# Altium PCB wikidunio-rda5981.PcbDoc
Units mil, origin at the board's own origin, x right, y up, seen from the top; angles counter-clockwise.
Board outline 2700 x 2100 mil, 2 copper layers (Top Layer, Bottom Layer); 42 components, 0 nets, 141 pads, 0 vias.
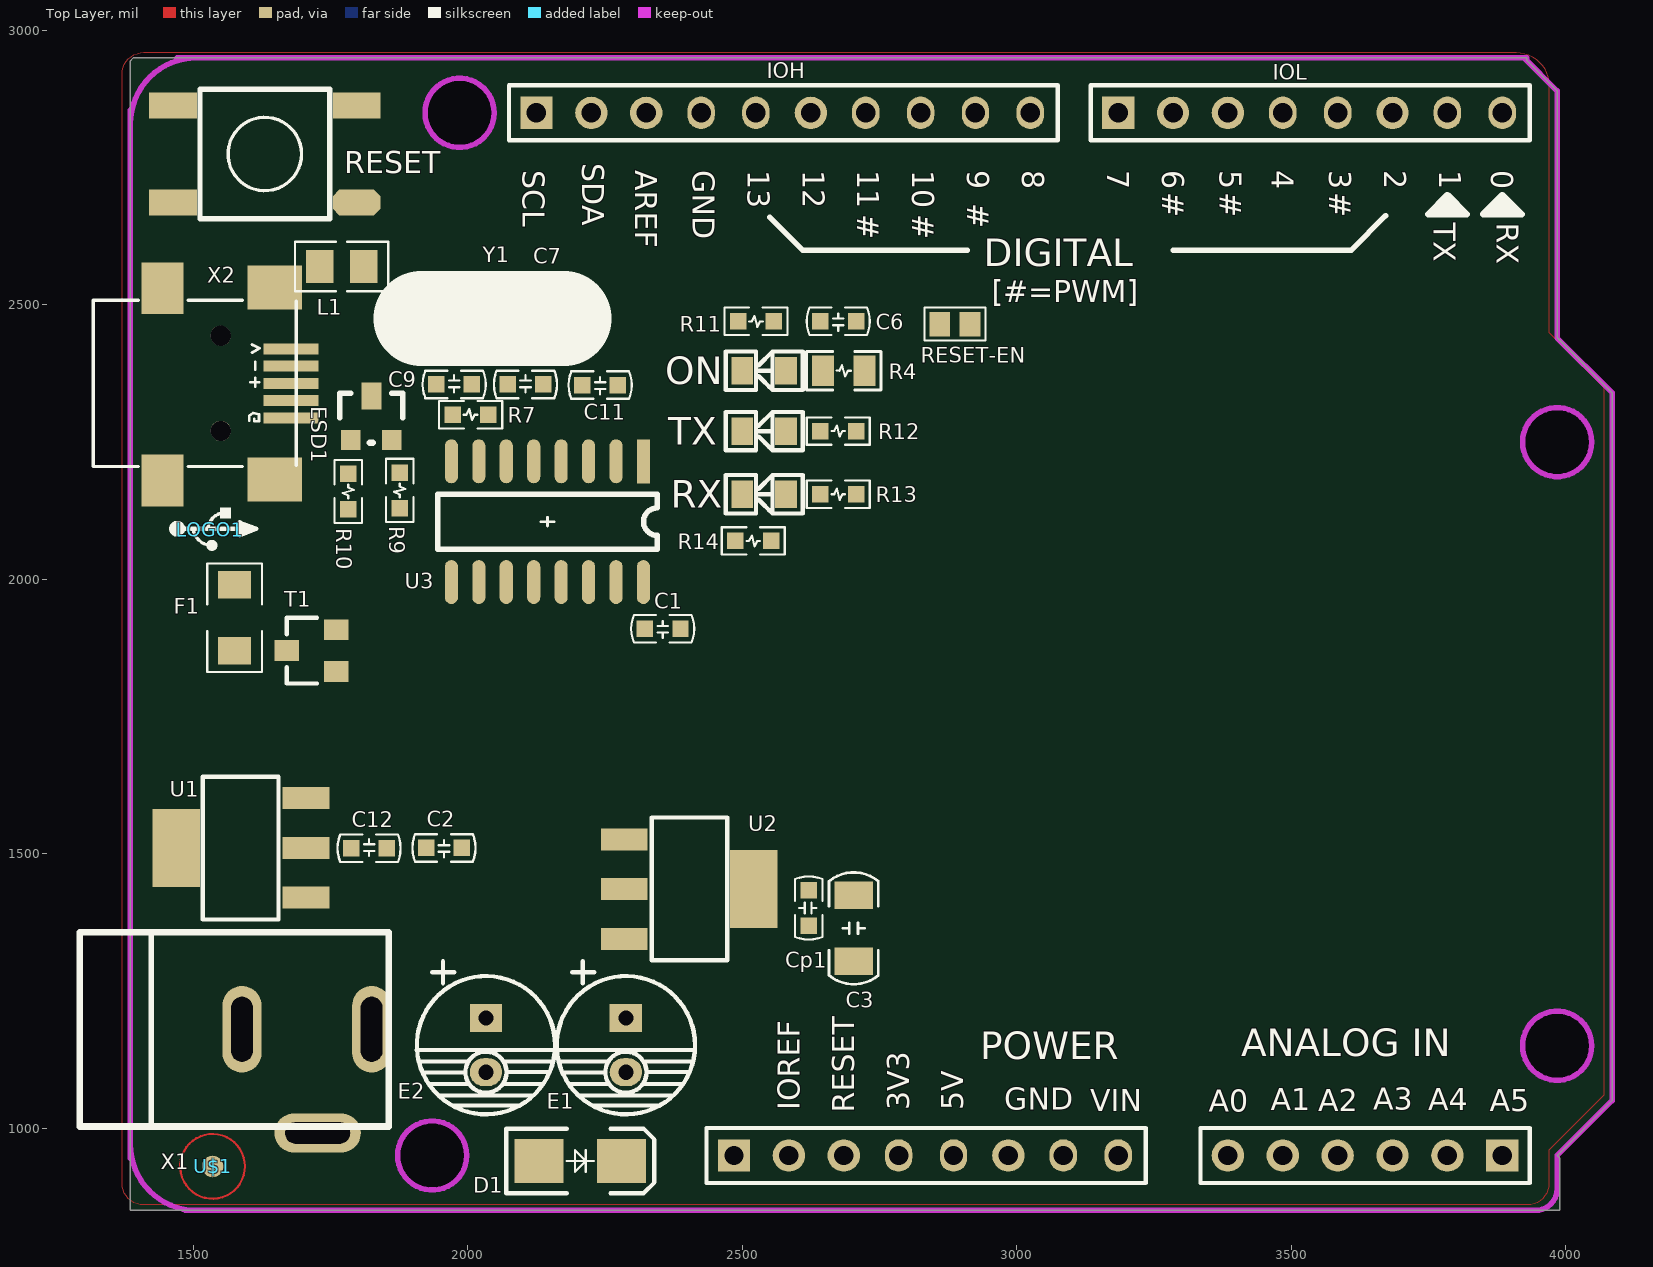
[diagram p0: Top Layer view]
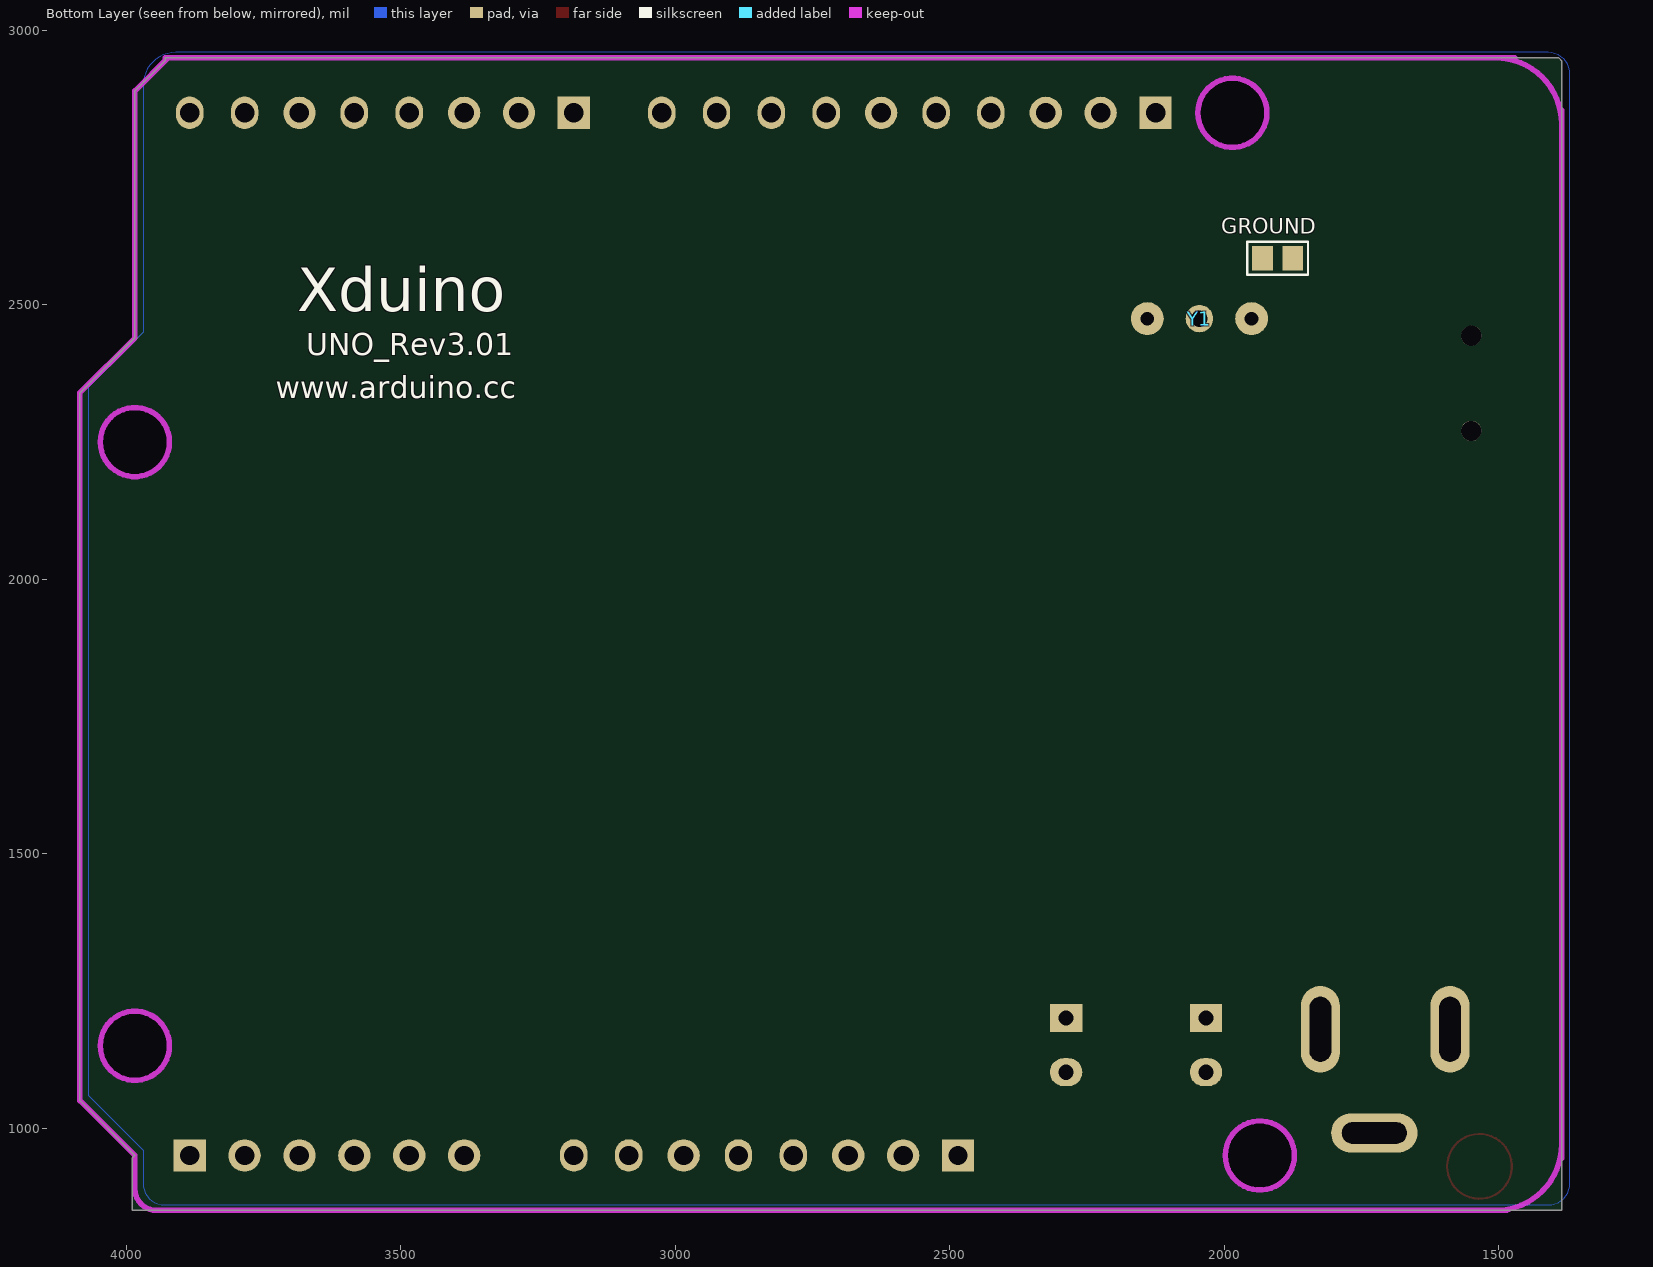
[diagram p1: Bottom Layer view, seen from below]

## Layer stack, top to bottom
Top Solder: solder mask 0.4, Solder Resist, Dk 3.5
Top Layer: signal copper 1.4
Dielectric 1: dielectric 12.6, FR-4, Dk 4.8
Bottom Layer: signal copper 1.4
Bottom Solder: solder mask 0.4, Solder Resist, Dk 3.5

## Board outline
1385,850 1385,2869.6 1385,2945 1390,2950 3930,2950 3930,2945 3985,2890 3985,2440 4085,2340 4085,1050 3985,950 3990,945 3990,850
cut-out: 2047.99,2847.99 cw(c1985,2847.99) 1985,2785 cw(c1985,2850) 1920,2850 1920,2855 cw(c1980,2855) 1980,2915 1985,2915 cw(c1985,2852.01) 2047.99,2852.01
cut-out: 4047.99,2247.99 cw(c3985,2247.99) 3985,2185 cw(c3985,2250) 3920,2250 3920,2255 cw(c3980,2255) 3980,2315 3985,2315 cw(c3985,2252.01) 4047.99,2252.01
cut-out: 4047.99,1147.99 cw(c3985,1147.99) 3985,1085 cw(c3985,1150) 3920,1150 3920,1155 cw(c3980,1155) 3980,1215 3985,1215 cw(c3985,1152.01) 4047.99,1152.01
cut-out: 1997.99,947.99 cw(c1935,947.99) 1935,885 cw(c1935,950) 1870,950 1870,955 cw(c1930,955) 1930,1015 1935,1015 cw(c1935,952.01) 1997.99,952.01

## Design rules (kind name [scope] priority, off if disabled: settings)
Clearance [All] p1: gap=10
PolygonConnect [All] p1: connectstyle=Relief reliefconductorwidth=10 reliefentries=4 polygonreliefangle="90 Angle" airgapwidth=10
RoutingVias [All] p1: holewidth=28 width=50 viastyle="Through Hole" minholewidth=28 minwidth=50 maxholewidth=28 maxwidth=50
SolderMaskExpansion [All] p1: expansion=4
Width [All] p1: maxlimit=10 minlimit=10 preferedwidth=10
29 further rules are at their usual default settings.

## Components (designator, comment, footprint, x,y, rotation, side; value= is the part's Value field where it differs from the comment)
"ANALOG IN" "单排插座 1×9T" HDR1X6Z 3885,950 r180 top
C1 "C1608X7R1H104KT000N（0603 0.1μF）" 0603C 2355,1910 r0 top
C2 "C1608X7R1H104KT000N（0603 0.1μF）" 0603C 1956.5,1510.37 r0 top
C3 "10μF" 1206C 2703,1364 r90 top
C6 "0.1μF" 0603C 2675,2470 r0 top
C7 "CC0603JRNP09BN270" 0603C 2105,2355 r180 top
C9 "CC0603JRNP09BN270" 0603C 1975,2355 r180 top
C11 "0.01μF" 0603C 2241,2354 r0 top
C12 "0.1μF" 0603C 1820,1510 r180 top
Cp1 "C1608X7R1H104KT000N（0603 0.1μF）" 0603C 2621,1401 r270 top
D1 "M7" M7 2205,940 r0 top
E1 "50YXF47M（6.3×11×2.5）" "RB 6.3×11×2.5" 2288,1151 r270 top
E2 "25YXF47M（5×11×2.0）" "RB 6.3×11×2.5" 2033,1151 r270 top
ESD1 "PESD5V0L2BT" SOT-23 1824,2294 r0 top
F1 "MF-MSMF050-2 500mA" L1206 1575,1930 r90 top
GROUND "" 0101 1875,2585 r0 bottom
IOH "单排插座 1×12T" HDR1X10Z 2125,2850 r0 top
IOL "单排插座 1×9T" HDR1X8Z 3185,2850 r0 top
L1 "PBY201209T-601Y-N 0805" L0805 1770,2570 r0 top
LOGO1 "LOGO" USB_LOGO 1530,2090 r270 top
ON "BL-HGE35A-TRB（0805 绿色）" LED0805-R 2540,2380 r180 top
POWER "单排插座 1×9T" HDR1X8Z 2485,950 r0 top
R4 "RC0805JR-072K2L" 0805/R 2685,2380 r0 top
R7 "1MΩ" 0603R 2005,2300 r180 top
R9 "RC0603JR-0730RL" 0603R 1876,2162 r90 top
R10 "RC0603JR-0730RL" 0603R 1782,2160 r90 top
R11 "RC0603FR-0712KL" 0603R 2525,2470 r180 top
R12 "RC0603JR-073K6L" 0603R 2675,2270 r180 top
R13 "RC0603JR-073K6L" 0603R 2675,2155 r180 top
R14 "RC0603JR-07910RL" 0603R 2520,2070 r180 top
RESET "贴片按钮 6×6×7" 按钮/SO 1630,2775 r0 top
RESET-EN "" 0101 2860,2465 r0 top
RX "BL-HRB35A-TRB (0805 黄色)" LED0805-Y 2540,2155 r180 top
T1 "IRLML6402TRPBF" MOSFET 1715,1870 r90 top
TX "BL-HRB35A-TRB (0805 黄色)" LED0805-Y 2540,2270 r180 top
U1 "LM1117-5.0" SOT223 1705,1420 r90 top
U2 "LM1117MPX-3.3" SOT223 2285,1526 r270 top
U3 "CH340G SOP16" SO-16 2145,2105 r270 top
U$1 "*" MARK 1535,930 r0 top
X1 "DC插座 WD-DCPJ-S3RYB2-N-055" DC_IN 1588.41,1180 r90 top
X2 "MINIUSB" USB-MINI3 1678,2357 r270 top
Y1 "12MHz-49S" XTAL-49S 2045,2475 r180 top

## Footprints (in the part's own frame and the unit in brackets; to place one, negate y for a bottom-side part, rotate by r counter-clockwise, add the part's x,y. Pads: shape width x height; smd on the part's side, far side on the other; paste and mask are expansions set on the pad)
0101 [mil]
  rect 38x45 smd: 1(0,0) 2(55,0)
  silkscreen extent -28,-30 83,30
0603C [mil]
  rect 30x30 smd: 1(-32.5,0) 2(32.5,0)
  silkscreen extent -58,-25 58,25, body extent -29,-15 33,16, height 18
0603R [mil] "FT封?"
  rect 30x30 smd: 1(-32.5,0) 2(32.5,0)
  silkscreen extent -58,-25 58,25, body extent -31,-14 32,17, height 18
0805/R [mil]
  rect 40x55 smd: 1(-38,0) 2(38,0)
  silkscreen extent -68,-35 68,35, body extent -39,-25 40,25, height 22
1206C [mil]
  rect 50x70 smd: 1(-60,0) 2(60,0)
  silkscreen extent -102,-45 102,45, body extent -64,-31 62,32, height 22
DC_IN [mm] "电?"
  oval 4x1.8 hole 1 slot 3 at 0 deg: 1(0,0) 3(0,-6)
  oval 1.8x4 hole 1 slot 3 at 90 deg: 2(-4.8,-3.5)
  silkscreen extent -4.5,-6.8 4.5,7.5, body extent -4.78,-6.26 4.73,7.56, height 11.25
HDR1X6Z [mm] "Connector; Header; 5 Position"
  rect 1.5x1.5 hole 0.9: 1(0,0)
  round 1.5 hole 0.9: 2(2.54,0) 3(5.08,0) 4(7.62,0) 5(10.16,0) 6(12.7,0)
  silkscreen extent -1.27,-1.27 13.97,1.27, body extent -1.27,-1.25 13.97,1.25, height 8.65
HDR1X8Z [mm] "Connector; Header; 8 Position"
  rect 1.5x1.5 hole 0.9: 1(0,0)
  round 1.5 hole 0.9: 2(2.54,0) 3(5.08,0) 6(12.7,0)
  oval 1.27x1.5 hole 0.9: 4(7.62,0) 5(10.16,0) 7(15.24,0) 8(17.78,0)
  silkscreen extent -1.27,-1.27 19.05,1.27, body extent -1.27,-1.25 19.05,1.25, height 8.65
HDR1X10Z [mm] "Connector; Header; 10 Position"
  rect 1.5x1.5 hole 0.9: 1(0,0)
  round 1.5 hole 0.9: 2(2.54,0) 3(5.08,0) 6(12.7,0)
  oval 1.27x1.5 hole 0.9: 4(7.62,0) 5(10.16,0) 7(15.24,0) 8(17.78,0) 9(20.32,0) 10(22.86,0)
  silkscreen extent -1.27,-1.27 24.13,1.27, body extent -1.27,-1.25 24.13,1.25, height 8.65
L0805 [mil]
  rect 50x60 smd: 1(-40,0) 2(40,0)
  silkscreen extent -85,-45 85,45, body extent -39,-23 39,24, height 37
L1206 [mil]
  rect 50x60 smd: 1(-60,0) 2(60,0)
  silkscreen extent -99,-50 99,50, body extent -61,-32 65,31, height 43
LED0805-R [mil] "蓝?"
  rect 40x50 smd: A(-40,0) K(40,0)
  silkscreen extent -70,-35 70,35, body extent -41,-27 41,27, height 35
LED0805-Y [mil] "蓝?"
  rect 40x50 smd: A(-40,0) K(40,0)
  silkscreen extent -70,-35 70,35, body extent -40,-25 40,25, height 43
M7 [mil] "FT lib"
  rect 89.37x80 smd: A(-75,0) K(75,0)
  silkscreen extent -135,-59 135,59, body extent -88,-52 94,54, height 94
MARK [mm]
  round 3.1 on Top Solder: 0(0,0)
  round 1 smd: 1(0,0)
  Top Layer circle w0.1: c-0.007,0.005 r1.5
MOSFET [mil]
  rect 38x45 smd: 1(0,45) 2(38,-45) 3(-38,-45)
  silkscreen extent -60,-10 60,45, body extent -57,-53 57,57
"RB 6.3×11×2.5" [mm] "Mol"
  rect 1.3x1.5 hole 0.7: 1(-1.25,0)
  oval 1.3x1.5 hole 0.7: 2(1.25,0)
  silkscreen extent -3.89,-3.2 3.2,3.2, body extent -3.18,-3.18 3.18,3.18, height 11.53
SO-16 [mil]
  rect 80x24 smd: 1(-110,175)
  oval 80x24 smd: 2(-110,125) 3(-110,75) 4(-110,25) 5(-110,-25) 6(-110,-75) 7(-110,-125) 8(-110,-175) 9(110,-175) 10(110,-125) 11(110,-75) 12(110,-25) 13(110,25) 14(110,75) 15(110,125) 16(110,175)
  silkscreen extent -50,-200 50,200, body extent -149,-197 151,197, height 66
SOT223 [mil]
  rect 141.73x86.61 smd: 0(90.55,236.22)
  rect 40x85 smd: 1(0,0) 2(90.55,0) 3(181.1,0)
  silkscreen extent -40,50 220,188, body extent -38,-17 218,257
SOT-23 [mil]
  rect 36x36 smd: 1(-37.5,-40) 2(37.5,-40)
  rect 36x50 smd: 3(0.5,40)
  silkscreen extent -58,-45 58,45, body extent -57,-52 57,58
USB-MINI3 [mil] "SMD"
  rect 20x100 smd: 1(-62.99,0) 2(-31.5,0) 3(0,0) 4(31.5,0) 5(62.99,0)
  rect 80x100 smd: 6(-175,-30) 6(175,-30)
  rect 94.49x76.77 smd: 6(-173.23,-234.72) 6(177.17,-234.72)
  round 37 hole 37 unplated: 10(86.61,-128.43) 11(-86.61,-128.43)
  silkscreen extent -152,-361 152,9, body extent -195,-358 195,12, height 154
USB_LOGO [mil]
  silkscreen extent -41,-67 33,84
XTAL-49S [mil] "3p"
  round 35 hole 25: 1(-95,0) 2(95,0)
  round 60 smd far side: 1(-95,0) 2(95,0)
  round 50 hole 30: 3(0,0)
  silkscreen extent -130,-87 130,87, body extent -211,-89 214,88, height 158
按钮/SO [mm]
  rect 2.2x1.2 smd: 1(-4.25,2.25) 1(4.25,2.25) 2(-4.25,-2.25)
  oct 2.2x1.2 smd: 2(4.25,-2.25)
  silkscreen extent -3,-3 3,3, body extent -4.97,-3.03 5.03,2.97, height 4.44

## Part data
"ANALOG IN": library part "Header 6", "Header, 6-Pin"
C1 C2 C6 C7 C9 C11 C12 Cp1: library part Cap, "Capacitor"
C3: library part CAP, "Capacitor"
D1: "D"
E1 E2: library part E
ESD1: library part ESD1
F1 L1: library part L, "BLM21"
GROUND RESET-EN: library part SW-SPST, "Single-Pole, Single-Throw Switch"
IOH: library part "Header 10", "Header, 10-Pin"
IOL POWER: library part "Header 8", "Header, 8-Pin"
ON RX TX: library part LED
R4 R7 R9 R10 R11 R12 R13 R14: library part R, "Resistor"
RESET: library part SW-PB, "Sw"
T1: library part PMOSSOT23
U1 U2: library part LM1117
U3: library part CH340G
U$1: library part DISCLAIMER
X1: library part DC_IN, "POWERSUPPLY_DC21MMX"
X2: library part USB-B_MINI, "USB"
Y1: library part XTAL1, "3pXTAL"

## Nets (pads, with @x,y where several pads share a name; then routed paths per layer and width w, separated by ;. In a path a pad name is that pad's centre, name@x,y a point inside that pad or via, vN(x,y) a via of type N, cw(c..) or ccw(c..) an arc to the next point about the centre after c; other vN are vias at no path point)
pads on no net: "ANALOG IN.1" "ANALOG IN.2" "ANALOG IN.3" "ANALOG IN.4" "ANALOG IN.5" "ANALOG IN.6" C1.1 C1.2 C2.1 C2.2 C3.1 C3.2 C6.1 C6.2 C7.1 C7.2 C9.1 C9.2 C11.1 C11.2 C12.1 C12.2 Cp1.1 Cp1.2 D1.A D1.K E1.1 E1.2 E2.1 E2.2 ESD1.1 ESD1.2 ESD1.3 F1.1 F1.2 GROUND.1 GROUND.2 IOH.1 IOH.2 IOH.3 IOH.4 IOH.5 IOH.6 IOH.7 IOH.8 IOH.9 IOH.10 IOL.1 IOL.2 IOL.3 IOL.4 IOL.5 IOL.6 IOL.7 IOL.8 L1.1 L1.2 ON.A ON.K POWER.1 POWER.2 POWER.3 POWER.4 POWER.5 POWER.6 POWER.7 POWER.8 R4.1 R4.2 R7.1 R7.2 R9.1 R9.2 R10.1 R10.2 R11.1 R11.2 R12.1 R12.2 R13.1 R13.2 R14.1 R14.2 RESET-EN.1 RESET-EN.2 RESET.1 RESET.2 RX.A RX.K T1.1 T1.2 T1.3 TX.A TX.K U1.0 U1.1 U1.2 U1.3 U2.0 U2.1 U2.2 U2.3 U3.1 U3.2 U3.3 U3.4 U3.5 U3.6 U3.7 U3.8 U3.9 U3.10 U3.11 U3.12 U3.13 U3.14 U3.15 U3.16 U$1.0 U$1.1 X1.1 X1.2 X1.3 X2.1 X2.2 X2.3 X2.4 X2.5 X2.6 X2.10 X2.11 Y1.1 Y1.2 Y1.3

## Polygon pours and split planes (outlines as drawn)
no net on Top Layer "Gnd" (solid, remove dead copper, shelved, pour order 12): 1409.37,860 cw(c1409.37,899.37) 1370,899.37 1370,2920.63 cw(c1409.37,2920.63) 1409.37,2960 3910,2960 cw(c3910,2900) 3970,2900 3970,2450 4070,2350 4070,1060 3970,960 3970,899.37 cw(c3930.63,899.37) 3930.63,860 1415,860
no net on Bottom Layer "Gnd" (solid, remove dead copper, shelved, pour order 16): 1409.37,860 cw(c1409.37,899.37) 1370,899.37 1370,2920.63 cw(c1409.37,2920.63) 1409.37,2960 3910,2960 cw(c3910,2900) 3970,2900 3970,2450 4070,2350 4070,1060 3970,960 3970,899.37 cw(c3930.63,899.37) 3930.63,860 1415,860

## Keep-outs
Keep-Out Layer:
  circle w10: c3985,1150 r62.99
  circle w10: c1985,2850 r62.99
  circle w10: c1935,950 r62.99
  circle w10: c3985,2250 r62.99
  lines w10: 1385,945 1385,2855 ; 1385,970 ccw(c1505,970) 1505,850 ; 1385,2830 cw(c1505,2830) 1505,2950 ; 1470,2950 3930,2950 ; 1485,850 3945.63,850 ccw(c3945.63,889.37) 3985,889.37 3985,950 4085,1050 4085,2340 3985,2440 3985,2890 3925,2950

## Silkscreen, mask and mechanical layers (free items; w line width, h text height)
Top Overlay:
  lines w10: 2550,2660 2610,2600 2910,2600 ; 3285,2600 3610,2600 3672.5,2662.5
  lines w12: 3765,2670 3785,2690 3805,2670 3775,2670 3790,2680 ; 3865,2670 3885,2690 3905,2670 3875,2670 3890,2680 ; 3750,2665 3820,2665 3785,2700 3750,2665 ; 3850,2665 3920,2665 3885,2700 3850,2665
  text "SDA" at 2208.21,2758.27 h40 r270
  text "SCL" at 2100,2745 h40 r270
  text "AREF" at 2305,2745 h40 r270
  text "GND" at 2410,2745 h40 r270
  text "13" at 2510,2745 h40 r270
  text "12" at 2610,2745 h40 r270
  text "11" at 2710,2745 h40 r270
  text "10" at 2810,2745 h40 r270
  text "9" at 2910,2745 h40 r270
  text "8" at 3010,2745 h40 r270
  text "7" at 3165,2745 h40 r270
  text "6" at 3265,2745 h40 r270
  text "5" at 3370,2745 h40 r270
  text "4" at 3465,2745 h40 r270
  text "3" at 3570,2745 h40 r270
  text "2" at 3670,2745 h40 r270
  text "1" at 3770,2745 h40 r270
  text "0" at 3865,2745 h40 r270
  text "#" at 3265,2705 h40 r270
  text "#" at 3370,2705 h40 r270
  text "#" at 3570,2705 h40 r270
  text "#" at 2910,2685 h40 r270
  text "#" at 2710,2665 h40 r270
  text "#" at 2810,2665 h40 r270
  text "TX" at 3760,2650 h40 r270
  text "RX" at 3875,2650 h40 r270
  text "DIGITAL" at 2940,2570 h50
  text "[#=PWM]" at 2955,2505 h40
  text "GND" at 2977,1033 h40
  text "A3" at 3650,1033 h40
  text "IOREF" at 2605,1032 h40 r90
  text "3V3" at 2804,1032 h40 r90
  text "5V" at 2903,1032 h40 r90
  text "A1" at 3463,1032 h40
  text "A4" at 3750,1032 h40
  text "VIN" at 3134,1031 h40
  text "A2" at 3550,1031 h40
  text "A5" at 3862,1030.5 h40
  text "A0" at 3350,1030 h40
  text "RESET" at 2704,1028 h40 r90
Bottom Overlay:
  text "Xduino" at 3688.59,2488.09 h80
  text "UNO_Rev3.01" at 3672.37,2408.09 h40
  text "www.arduino.cc" at 3728,2330 h40